# KiCad board BigBoy.kicad_pcb (continued)
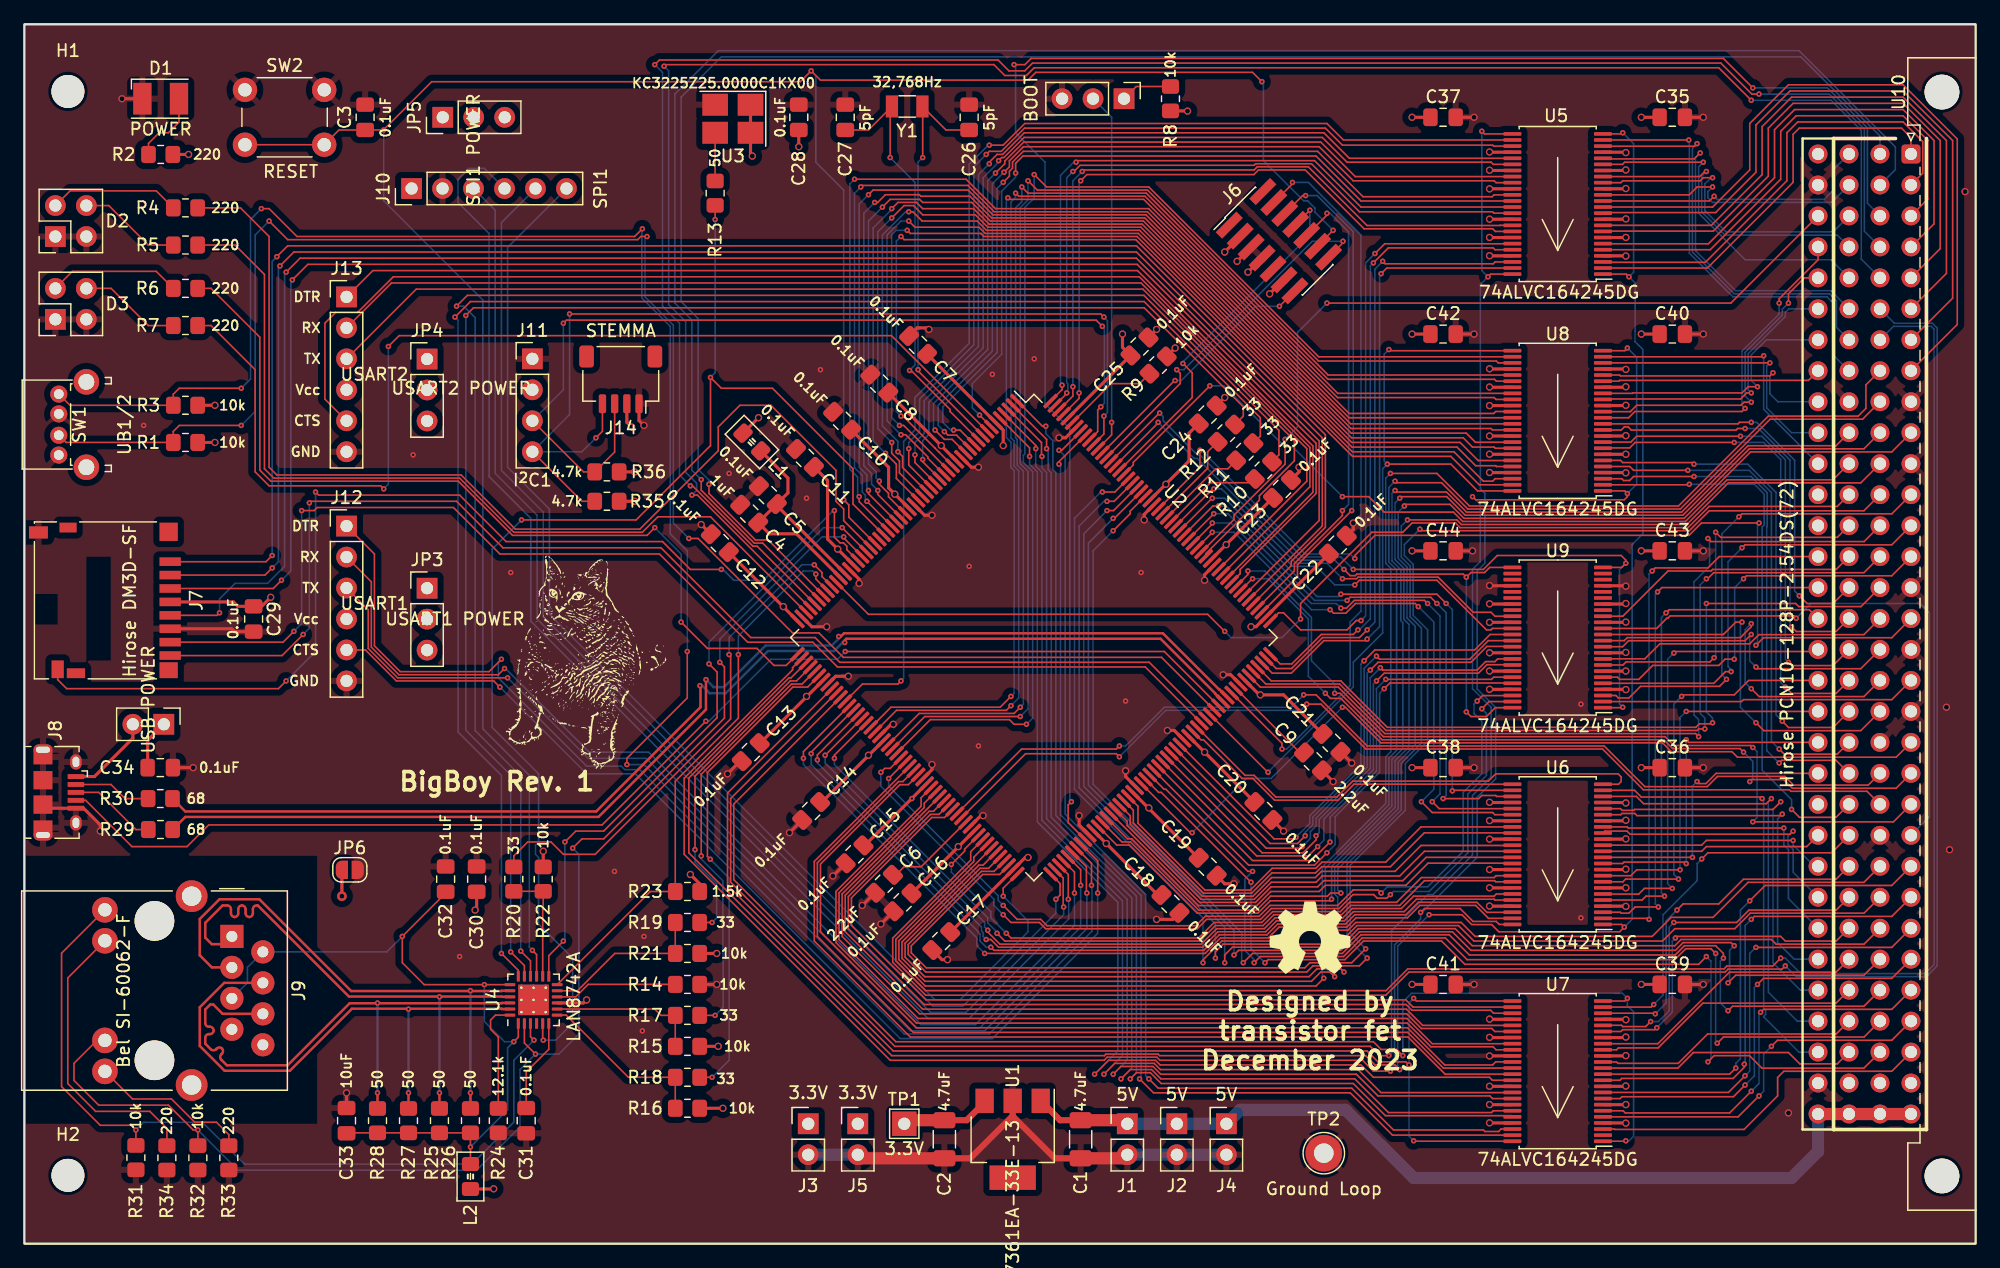
[diagram p0: board, top side]
## Routing (per net, layer and track width the routed paths; a pad name or vN(x,y) marks a point on that pad's centre or on a via; arc(x,y) is an arc through that point) (continued)
LA31: length 103.3
  Top w0.127: U2.76 74.28,42.98 80.77,42.98 81.15,42.6 v2(82.17,42.6) ; U8.26 106.13,72.74 92.2,86.67 83.82,86.67 v2(82.8,87.68)
  Bottom w0.127: v2(82.17,42.6) 82.68,43.1 82.68,63.31 81.92,64.07 81.92,64.65 82.04,64.78 82.04,84.99 82.8,85.75 v2(82.8,87.68)
LAM0: length 43.5
  Top w0.127: v2(105.92,33.45) 105.92,33.12 104.86,32.06 101.5,32.06 U2.132 ; v2(111.19,47.23) 111.39,47.03 111.4,47.04 119.13,47.04 119.82,47.74 120.58,47.74 120.8,47.96 U9.40
  Bottom w0.127: v2(105.92,33.45) 106.17,33.71 106.17,34.79 110.36,38.98 110.36,46.41 v2(111.19,47.23)
LAM1: length 43.3
  Top w0.127: v2(110.36,47.04) 111,47.68 118.62,47.68 119.93,48.98 121.99,48.98 U9.38 ; v2(104.77,32.56) 104.65,32.44 101.82,32.44 U2.133
  Bottom w0.127: v2(110.36,47.04) 110.11,46.79 110.11,39.08 105.92,34.89 105.92,34.26 105.45,33.79 105.45,33.23 v2(104.77,32.56)
LAM2: length 43.1
  Top w0.127: v2(110.87,48.18) 111.13,47.93 118.52,47.93 120.05,49.46 U9.37 ; U2.134 102.15,32.82 104.39,32.82 v2(105.03,33.45)
  Bottom w0.127: v2(110.87,48.18) 109.86,47.17 109.86,39.19 105.66,35 105.66,34.36 105.03,33.73 v2(105.03,33.45)
LAM3: length 42.6
  Top w0.127: U2.135 102.47,33.2 104.14,33.2 v2(104.27,33.33) ; U9.36 120.19,49.96 118.92,48.69 110.74,48.69 v2(109.86,47.8)
  Bottom w0.127: v2(109.86,47.8) 109.6,47.55 109.6,39.29 105.41,35.1 105.41,34.47 v2(104.27,33.33)
LAM4: length 33.2
  Top w0.127: v2(109.09,54.03) 109.47,54.41 115.82,54.41 119.89,50.34 120.26,50.34 120.38,50.46 U9.35 ; v2(97.41,61.14) 97.39,61.14 U2.178
  Bottom w0.127: v2(97.41,61.14) 98.42,61.14 104.01,55.55 105.92,55.55 107.44,54.03 v2(109.09,54.03)
LAM5: length 33.3
  Top w0.127: v2(108.08,54.53) 109.24,54.53 109.37,54.66 115.93,54.66 118.81,51.78 120.27,51.78 120.59,51.46 U9.33 ; v2(97.54,61.9) 97.45,61.9 U2.179
  Bottom w0.127: v2(97.54,61.9) 98.17,61.9 104.27,55.8 106.81,55.8 v2(108.08,54.53)
LD0: length 51.6
  Top w0.127: v2(110.11,49.58) 109.98,49.45 106.55,49.45 103.89,46.79 102.32,46.79 U2.154 ; v2(111.25,79.55) 111.72,80.02 U5.47
  Bottom w0.127: v2(111.25,79.55) 111.13,79.43 111.13,50.6 v2(110.11,49.58)
LD1: length 51.5
  Top w0.127: U2.155 102.65,47.17 103.91,47.17 106.45,49.71 109.47,49.71 v2(110.11,50.34) ; v2(111.38,80.57) 111.58,80.37 120.45,80.37 120.6,80.52 U5.46
  Bottom w0.127: v2(110.11,50.34) 110.74,50.98 110.74,79.93 v2(111.38,80.57)
LD2: length 51.3
  Top w0.127: v2(109.35,50.34) 108.97,49.96 106.34,49.96 103.93,47.55 102.97,47.55 U2.156 ; U5.44 120.59,81.52 120.44,81.67 111.84,81.67 v2(110.62,80.44)
  Bottom w0.127: v2(110.62,80.44) 110.36,80.19 110.36,51.23 109.47,50.34 v2(109.35,50.34)
LD3: length 50.8
  Top w0.127: v2(110.74,81.2) 111.55,82.01 122.01,82.01 U5.43 ; v2(109.6,51.11) 109.22,51.11 108.46,50.34 104.65,50.34 103.25,51.74 102.85,51.74 U2.157
  Bottom w0.127: v2(110.74,81.2) 109.98,80.44 109.98,51.49 v2(109.6,51.11)
LD4: length 57.6
  Top w0.127: U5.41 120.61,83.02 120.4,83.24 109.86,83.24 105.03,88.06 101.2,88.06 100.82,87.68 87.12,87.68 v2(86.61,87.17) ; U2.205 86.49,69.32 v2(86.49,69.77)
  Bottom w0.127: v2(86.49,69.77) 86.49,87.05 v2(86.61,87.17)
LD5: length 57.8
  Top w0.127: v2(85.98,70.28) 85.98,69.52 84.85,68.39 U2.206 ; v2(86.74,87.94) 86.87,88.06 100.84,88.06 101.09,88.32 105.28,88.32 110.09,83.51 120.99,83.51 121,83.52 U5.40
  Bottom w0.127: v2(86.74,87.94) 85.98,87.17 v2(85.98,70.28)
LD6: length 57.9
  Top w0.127: v2(85.98,87.94) 86.06,87.94 86.57,88.44 100.84,88.44 100.96,88.57 105.54,88.57 109.47,84.63 120.39,84.63 120.5,84.52 U5.38 ; U2.207 85.47,69.72 v2(85.47,69.77)
  Bottom w0.127: v2(85.98,87.94) 85.47,87.43 85.47,70.62 85.56,70.53 85.56,69.86 v2(85.47,69.77)
LD7: length 58
  Top w0.127: 85.09,70.28 85.09,70.05 U2.208 ; U5.37 109.6,85.02 105.79,88.82 86.36,88.82 v2(86.23,88.7)
  Bottom w0.127: v2(85.09,70.41) 84.96,70.54 84.96,87.62 86.04,88.7 v2(86.23,88.7)
LD8: length 66.3
  Top w0.127: U5.36 109.61,85.52 105.92,89.21 81.88,89.21 81.28,88.6 v2(81.28,87.81) ; v2(78.32,67.96) U2.7
  Bottom w0.127: v2(81.28,87.81) 81.28,87.47 80.14,86.33 80.14,72.95 77.72,70.54 77.72,68.56 v2(78.32,67.96)
LD9: length 70
  Top w0.127: U2.11 76.72,66.73 v2(76.2,66.73) ; U5.35 120.51,86.02 120.36,85.87 109.76,85.87 106.05,89.59 81.9,89.59 81.03,88.71 81.03,88.21 80.77,87.96 80.77,87.55 v2(80.26,87.05)
  Bottom w0.127: v2(76.2,66.73) 75.95,66.73 75.31,67.36 75.31,68.63 79.76,73.08 79.76,86.54 v2(80.26,87.05)
LD10: length 70.5
  Top w0.127: U5.33 120.68,87.02 120.52,87.17 108.97,87.17 106.17,89.97 81.93,89.97 80.77,88.81 80.77,88.32 v2(80.33,87.87) ; U2.12 76.44,66.31 75.73,66.31 v2(75.44,66.6)
  Bottom w0.127: v2(80.33,87.87) 79.38,86.92 79.38,73.2 74.93,68.76 74.93,67.11 v2(75.44,66.6)
LD11: length 71.3
  Top w0.127: U2.13 76.07,65.96 75.44,65.96 v2(74.68,66.73) ; v2(79.63,87.81) 80.39,88.57 80.39,88.79 81.95,90.35 106.3,90.35 109.13,87.52 122.02,87.52 U5.32
  Bottom w0.127: v2(74.68,66.73) 74.55,66.85 74.55,68.89 78.99,73.33 78.99,87.17 v2(79.63,87.81)
LD12: length 73.1
  Top w0.127: v2(73.66,64.31) 73.66,64.13 U2.19 ; v2(79.88,88.82) 80.14,89.08 80.32,89.08 81.97,90.73 106.43,90.73 108.46,88.7 120.27,88.7 120.45,88.52 U5.30
  Bottom w0.127: v2(73.66,64.31) 73.66,65.86 74.17,66.37 74.17,69.01 78.61,73.46 78.61,87.43 79.88,88.7 v2(79.88,88.82)
LD13: length 74.3
  Top w0.127: v2(73.03,64.69) 73.03,64.06 U2.20 ; U5.29 108.64,89.02 106.55,91.11 81.99,91.11 80.21,89.33 79.76,89.33 79.12,88.7 v2(79.12,88.57)
  Bottom w0.127: v2(79.12,88.57) 78.23,87.68 78.23,73.58 73.79,69.14 73.79,66.47 73.03,65.71 v2(73.03,64.69)
LD14: length 75.3
  Top w0.127: v2(72.52,65.2) 72.52,63.86 U2.21 ; v2(78.87,89.33) 79.12,89.59 80.11,89.59 82.01,91.49 106.68,91.49 108.08,90.09 120.4,90.09 120.47,90.02 U5.27
  Bottom w0.127: v2(78.87,89.33) 77.85,88.32 77.85,73.71 73.41,69.27 73.41,66.6 72.52,65.71 v2(72.52,65.2)
LD15: length 96.5
  Top w0.127: v2(71.88,46.15) 71.63,45.9 68.72,45.9 U2.64 ; U5.26 108.16,90.52 106.81,91.87 82.03,91.87 80.26,90.09 v2(79.12,90.09)
  Bottom w0.127: v2(71.88,46.15) 72.1,46.37 72.1,65.8 73.03,66.73 73.03,69.39 77.47,73.84 77.47,88.53 79.04,90.09 v2(79.12,90.09)
LD16: length 73.4
  Top w0.127: v2(78.74,23.8) 96.81,23.8 98.08,25.07 101.99,25.07 102.88,25.96 108.43,25.96 109.19,26.72 113.41,26.72 114.43,27.74 119,27.74 120.06,26.68 U6.47 ; v2(63.88,39.8) 63.88,40.35 U2.65
  Bottom w0.127: v2(63.88,39.8) 63.88,39.29 78.11,25.07 78.11,24.44 v2(78.74,23.8)
LD17: length 72.1
  Top w0.127: U2.66 67.96,43.75 64.52,40.31 v2(64.52,40.18) ; U6.46 122.01,27.17 119.93,27.17 119.11,27.99 114.3,27.99 113.28,26.98 109.09,26.98 108.33,26.21 102.77,26.21 101.89,25.32 97.98,25.32 96.71,24.05 79.5,24.05 v2(79.25,24.31)
  Bottom w0.127: v2(64.52,40.18) 64.52,39.29 78.23,25.58 78.23,25.52 78.36,25.39 78.36,24.82 78.87,24.31 v2(79.25,24.31)
LD18: length 70.6
  Top w0.127: v2(65.02,39.68) 65.02,40.08 U2.67 ; U6.44 120.59,28.18 120.52,28.25 114.15,28.25 113.13,27.23 108.98,27.23 108.22,26.47 102.67,26.47 101.78,25.58 97.87,25.58 96.6,24.31 79.88,24.31 79.25,24.94 v2(78.87,24.94)
  Bottom w0.127: v2(78.87,24.94) 78.61,25.2 78.61,25.5 78.49,25.62 78.49,25.96 65.02,39.42 v2(65.02,39.68)
LD19: length 69.4
  Top w0.127: U6.43 120.7,28.68 120.52,28.5 113.92,28.5 112.9,27.48 108.88,27.48 108.12,26.72 102.56,26.72 101.67,25.83 97.77,25.83 96.5,24.56 79.99,24.56 78.99,25.56 v2(78.99,25.71) ; v2(65.66,40.06) 68.65,43.04 U2.68
  Bottom w0.127: v2(78.99,25.71) 78.74,25.96 78.74,26.34 65.66,39.42 v2(65.66,40.06)
LD20: length 68.5
  Top w0.127: v2(79.76,25.45) 80.39,24.82 96.39,24.82 97.66,26.09 101.57,26.09 102.46,26.98 108.01,26.98 108.77,27.74 112.77,27.74 114.8,29.77 120.56,29.77 120.65,29.68 U6.41 ; U2.69 66.42,40.06 v2(66.42,39.8)
  Bottom w0.127: v2(66.42,39.8) 66.42,39.29 78.99,26.72 78.99,26.3 79.76,25.53 v2(79.76,25.45)
LD21: length 54.6
  Top w0.127: U2.95 77.1,32.36 77.1,32.19 v2(76.01,31.1) ; U6.40 120.68,30.18 120.52,30.02 114.55,30.02 112.52,27.99 108.67,27.99 107.91,27.23 102.35,27.23 101.46,26.34 97.56,26.34 96.29,25.07 80.9,25.07 v2(80.52,25.45)
  Bottom w0.127: v2(80.52,25.45) 79.25,26.72 79.25,27.23 76.01,30.47 v2(76.01,31.1)
LD22: length 37.7
  Top w0.127: U2.118 90.45,33.2 90.8,33.2 96.27,27.73 101.06,27.73 102.21,28.88 106.17,28.88 106.68,29.39 113.28,29.39 115.1,31.2 121.99,31.2 U6.38
LD23: length 37.5
  Top w0.127: U6.37 114.94,31.68 113.03,29.77 106.55,29.77 106.05,29.26 102.23,29.26 100.95,27.98 96.38,27.98 U2.119
LD24: length 37.5
  Top w0.127: U6.36 114.8,32.18 112.78,30.15 106.43,30.15 105.92,29.64 102.25,29.64 100.85,28.24 96.48,28.24 90.42,34.29 90.42,34.64 U2.120
LD25: length 37.5
  Top w0.127: U2.121 90.68,35.09 90.68,34.4 96.59,28.49 100.74,28.49 102.27,30.02 105.85,30.02 106.36,30.53 112.39,30.53 114.52,32.66 121.99,32.66 U6.35
LD26: length 37.7
  Top w0.127: U6.33 122.01,33.69 114.79,33.69 112.01,30.91 106.38,30.91 105.87,30.4 102.3,30.4 100.64,28.74 96.69,28.74 90.93,34.5 90.93,35.55 U2.122
LD27: length 37.7
  Top w0.127: U6.32 114.52,34.18 111.63,31.29 106.4,31.29 105.9,30.79 102.32,30.79 100.53,29 96.8,29 91.31,34.48 91.31,35.87 U2.123
LD28: length 46.7
  Top w0.127: U2.174 97.41,58.32 v2(97.41,58.34) ; v2(114.3,52.25) 114.05,52.5 109.15,52.5 108.36,51.7 107.35,51.7 v2(107.06,51.99) ; v2(114.55,36.25) 115.44,35.36 120.4,35.36 120.58,35.18 U6.30
  Bottom w0.127: v2(97.41,58.34) 99.19,58.34 105.54,51.99 v2(107.06,51.99) ; v2(114.3,52.25) 115.57,50.98 115.57,37.26 v2(114.55,36.25)
LD29: length 47
  Top w0.127: v2(97.41,59.11) 97.41,59.03 U2.175 ; v2(107.95,52.12) 108.41,52.12 109.05,52.76 114.81,52.76 v2(115.06,52.5) ; v2(115.44,36.25) 116.01,35.68 U6.29
  Bottom w0.127: v2(115.06,52.5) 116.08,51.49 116.08,36.88 v2(115.44,36.25) ; v2(107.95,52.12) 107.57,52.5 105.54,52.5 98.93,59.11 v2(97.41,59.11)
LD30: length 46.8
  Top w0.127: v2(115.82,52.5) 115.32,53.01 108.71,53.01 v2(108.46,52.76) ; U6.27 120.73,36.68 120.65,36.75 119.51,36.75 119.25,36.5 v2(116.33,36.5) ; 97.41,59.87 97.41,59.74 U2.176
  Bottom w0.127: 97.41,59.87 98.68,59.87 105.79,52.76 v2(108.46,52.76) ; v2(115.82,52.5) 116.59,51.74 116.59,36.75 v2(116.33,36.5)
  vias: v2(97.54,59.87)
LD31: length 46.5
  Top w0.127: U2.177 97.47,60.5 v2(97.92,60.5) ; v2(117.09,37.14) 117.14,37.18 U6.26 ; v2(116.59,52.5) 115.82,53.26 v2(107.95,53.26)
  Bottom w0.127: v2(107.95,53.26) 107.76,53.07 105.98,53.07 98.55,60.5 v2(97.92,60.5) ; v2(116.59,52.5) 117.09,51.99 v2(117.09,37.14)
RMII_CRS_DV: length 27.1
  Top w0.127: v2(54.99,32.31) 54.99,38.34 62.8,46.15 63.32,46.15 U2.56 ; v2(56.39,26.34) R19.1
  Bottom w0.127: v2(56.39,26.34) 56.77,26.72 56.77,29.52 54.99,31.29 v2(54.99,32.31)
RMII_MDC: length 52.4
  Top w0.127: v2(56.13,47.55) 56.81,46.88 56.81,43.14 47.5,33.83 45.21,33.83 v2(44.32,32.94) ; v2(67.06,58.73) 67.06,58.72 U2.36 ; U4.13 43,23.62 v2(44.2,24.82)
  Bottom w0.127: v2(56.13,47.55) 56.13,49.33 65.53,58.73 v2(67.06,58.73) ; v2(44.2,24.82) 44.32,24.94 v2(44.32,32.94)
RMII_MDIO: length 46.4
  Top w0.127: U2.45 64.9,54.51 v2(64.9,54.92) ; U4.12 51.33,28.88 R23.2 53.37,37.93 58.55,43.1 v2(58.55,48.31)
  Bottom w0.127: v2(58.55,48.31) 58.55,49.84 63.88,55.17 64.64,55.17 v2(64.9,54.92)
RMII_nINT: length 115.5
  Top w0.127: U4.2 41,16.45 v2(41.91,15.55) ; v2(57.02,47.68) 57.4,47.3 57.4,43.1 47.5,33.2 45.72,33.2 v2(44.96,32.44) ; R32.1 v2(14.22,9.32) 13.84,9.32 11.81,11.35 6.1,11.35 4.06,13.39 4.06,14.78 5.95,16.67 J9.L3 ; v2(67.18,57.96) 67.18,57.88 U2.37
  Bottom w0.127: v2(67.18,57.96) 65.41,57.96 57.02,49.58 v2(57.02,47.68) ; v2(44.96,32.44) 45.47,31.93 45.47,17.2 43.81,15.55 v2(41.91,15.55) 40.64,14.28 40.64,9.58 37.08,6.02 17.53,6.02 v2(14.22,9.32)
RMII_REF_CLK: length 42.7
  Top w0.127: v2(57.78,48.31) 57.91,48.18 57.91,43.04 46.8,31.93 44.2,31.93 43.18,32.94 41.28,32.94 40.13,31.8 R20.1 ; U2.44 65.41,54.71 65.41,55.04 v2(64.77,55.68)
  Bottom w0.127: v2(64.77,55.68) 63.75,55.68 57.78,49.71 v2(57.78,48.31)
RMII_RXD0: length 34.8
  Top w0.127: R17.1 v2(56.64,18.72) ; v2(55.5,31.8) 55.5,38.49 62.91,45.9 63.77,45.9 U2.57
  Bottom w0.127: v2(55.5,31.8) 55.5,31.54 57.28,29.77 57.28,24.02 57.29,24.01 57.29,19.36 v2(56.64,18.72)
RMII_RXD1: length 39.8
  Top w0.127: U2.58 64.22,45.64 63.01,45.64 56.01,38.64 56.01,31.76 v2(56.24,31.53) ; R18.1 v2(56.39,13.64)
  Bottom w0.127: v2(56.24,31.53) 57.78,29.98 57.78,15.04 v2(56.39,13.64)
RMII_TXD0: length 125.3
  Top w0.127: v2(39.88,23.93) 41,22.8 U4.17 ; R12.2 99.95,67.87 99.95,68.63 91.82,76.76 36.83,76.76 v2(36.2,76.12)
  Bottom w0.127: v2(36.2,76.12) 36.2,42.11 39.88,38.43 v2(39.88,23.93)
RMII_TXD1: length 129.1
  Top w0.127: v2(39.12,23.8) 40.5,22.42 U4.18 ; v2(35.31,76) 36.58,77.27 91.82,77.27 101.35,67.74 101.35,66.22 R11.2
  Bottom w0.127: v2(35.31,76) 35.56,75.74 35.56,41.96 39.12,38.41 v2(39.12,23.8)
RMII_TXEN: length 133
  Top w0.127: R10.2 102.87,64.69 102.87,66.7 91.8,77.78 36.32,77.78 v2(35.43,76.89) ; v2(40.7,23.99) 41.5,23.19 U4.16
  Bottom w0.127: v2(40.7,23.99) 40.7,38.34 36.96,42.09 36.96,75.95 36.02,76.89 v2(35.43,76.89)
SDIO_CLK: length 142.5
  Top w0.127: J7.5 15.79,51.53 v2(16,51.74) ; U2.163 106.17,59.31 106.17,65.84 91.19,80.82 22.61,80.82 v2(21.46,79.68)
  Bottom w0.127: v2(16,51.74) 16,52.88 17.27,54.15 19.94,54.15 21.34,55.55 21.34,79.55 v2(21.46,79.68)
SDIO_CMD: length 139.2
  Top w0.127: v2(21.08,54.41) 20.41,53.73 11.95,53.73 ; v2(21.97,79.05) 23.24,80.31 91.25,80.31 105.92,65.65 105.92,61.52 99.7,55.3 99.7,54.95 U2.166
  Bottom w0.127: v2(21.97,79.05) 21.84,78.92 21.84,55.17 v2(21.08,54.41)
SDIO_D0: length 101.9
  Top w0.127: U2.140 91.91,47.3 66.67,47.3 64.64,49.33 59.31,49.33 52.07,56.57 38.99,56.57 35.18,60.38 24,60.38 23.75,60.12 v2(22.73,60.12) ; J7.7 21.21,49.33 v2(22.1,50.22)
  Bottom w0.127: v2(22.73,60.12) 22.73,50.85 v2(22.1,50.22)
SDIO_D1: length 103.6
  Top w0.127: U2.141 92.24,47.68 66.87,47.68 64.83,49.71 59.56,49.71 52.2,57.07 39.24,57.07 35.43,60.88 23.5,60.88 v2(23.37,60.76) ; v2(22.86,49.96) 21.13,48.23 11.95,48.23
  Bottom w0.127: v2(22.86,49.96) 23.37,50.47 v2(23.37,60.76)
SDIO_D2: length 142.3
  Top w0.127: U2.161 103.89,55.61 103.89,55.96 106.68,58.75 106.68,66.34 91.19,81.84 21.59,81.84 v2(20.7,80.95) ; v2(20.32,56.44) 19.81,55.93 11.95,55.93
  Bottom w0.127: v2(20.32,56.44) 20.32,80.57 v2(20.7,80.95)
SDIO_D3: length 141.6
  Top w0.127: J7.2 19.73,54.83 v2(20.32,55.42) ; v2(20.95,80.19) 22.1,81.33 91.19,81.33 106.43,66.09 106.43,58.86 U2.162
  Bottom w0.127: v2(20.32,55.42) 20.83,55.93 20.83,80.06 v2(20.95,80.19)
SDIO_DET: length 89.7
  Top w0.127: U2.38 67.44,56.92 67.44,57.2 67.16,57.48 66.88,57.48 66.42,57.94 v2(66.42,60.12) ; v2(57.15,55.3) 54.61,55.3 52.32,57.58 39.5,57.58 35.69,61.39 24.13,61.39 v2(23.88,61.65) ; v2(21.46,46.15) 20.83,45.52 3.47,45.52 2.73,46.25 J7.9 2.79,47.17
  Bottom w0.127: v2(23.88,61.65) 23.88,48.57 v2(21.46,46.15) ; v2(57.15,55.3) 57.28,55.3 58.17,54.41 60.6,54.41 66.32,60.12 v2(66.42,60.12)
SPI_SCK: length 99.8
  Top w0.127: U2.105 84.93,29.53 84.93,28.59 v2(84.58,28.25)
  Bottom w0.127: v2(84.58,28.25) 84.58,27.1 76.96,19.48 74.49,19.48 42.55,51.42 42.55,60 39.12,63.42 39.12,83.74 J10.5
SPI_SDI: length 109.3
  Top w0.127: v2(85.6,28.25) 85.6,30.28 U2.107
  Bottom w0.127: J10.4 37.72,88.19 36.45,88.19 35.56,87.3 35.56,85.4 38.1,82.86 38.1,62.92 41.53,59.49 41.53,51.04 74.1,18.47 77.47,18.47 85.63,26.63 85.63,28.21 v2(85.6,28.25)
SPI_SDO: length 101.3
  Top w0.127: U2.106 85.18,29.99 85.18,27.65 v2(85.22,27.61)
  Bottom w0.127: v2(85.22,27.61) 85.22,26.98 77.22,18.97 74.3,18.97 42.04,51.23 42.04,59.74 38.61,63.17 38.61,84.76 J10.3
TCK/SWCLK: length 41.8
  Top w0.127: v2(105.06,85.96) 104.81,85.96 J6.6 ; v2(108.84,60.12) 104.39,55.68 104.39,54.7 U2.159
  Bottom w0.127: v2(105.06,85.96) 106.01,85.96 108.97,83 108.97,60.25 v2(108.84,60.12)
TDI: length 38.8
  Top w0.127: U2.160 101.11,52.14 104.14,55.17 104.14,55.78 108.08,59.72 v2(108.08,60.12) ; v2(106.81,84.51) 106.81,84.36 J6.10
  Bottom w0.127: v2(108.08,60.12) 108.58,60.63 108.58,82.98 107.06,84.51 v2(106.81,84.51)
TDO/SWO: length 30.1
  Top w0.127: v2(105.41,84.76) J6.8 ; U2.192 89.81,63.44 95.76,69.39 95.76,71.43 v2(95,72.19)
  Bottom w0.127: v2(105.41,84.76) 105.41,82.73 95,72.31 v2(95,72.19)
TMS/SWDIO: length 61.1
  Top w0.127: U2.147 103.12,41.03 v2(103.12,40.56) ; J6.4 103.98,86.92 v2(103.98,87.04)
  Bottom w0.127: v2(103.98,87.04) 105.29,87.04 109.6,82.73 109.6,51.87 108.71,50.98 108.71,45.77 103.51,40.56 v2(103.12,40.56)
UB1: length 141
  Top w0.127: v2(54.48,57.84) 55.25,57.84 62.99,50.09 65.15,50.09 67.16,48.08 93.25,48.08 U2.143 ; SW1.2 3.41,65.71 R1.2 12.21,66.62 12.7,67.11 v2(17.78,67.11) ; v2(20.07,83.87) 21.59,82.35 50.29,82.35 50.55,82.6 v2(51.05,82.6)
  Bottom w0.127: v2(54.48,57.84) 53.21,59.11 53.21,75.34 50.89,77.66 50.89,82.44 v2(51.05,82.6) ; v2(17.78,67.11) 18.92,68.25 18.92,82.73 v2(20.07,83.87)
UB2: length 168.9
  Top w0.127: v2(54.36,48.57) 54.36,44.76 49.4,39.8 v2(49.4,39.29) ; v2(50.67,83.24) 50.04,82.6 22.35,82.6 20.07,84.89 v2(19.43,84.89) ; v2(87.12,28.75) 87.09,28.79 87.09,30.91 U2.110 ; v2(17.78,70.16) 12.7,70.16 12.21,69.66 R3.2 3.74,68.76 SW1.4
  Bottom w0.127: v2(19.43,84.89) 18.54,84 18.54,70.92 v2(17.78,70.16) ; v2(49.4,39.29) 50.8,39.29 72.64,17.45 78.74,17.45 87.12,25.83 v2(87.12,28.75) ; v2(54.36,48.57) 54.36,56.82 52.96,58.22 52.96,75.24 50.64,77.56 50.64,83.2 v2(50.67,83.24)
UL1: length 89.4
  Top w0.127: U2.35 67.18,59.3 67.18,60.25 66.55,60.88 66.55,63.42 61.21,68.76 58.67,68.76 56.9,66.98 56.9,65.03 50.46,58.6 40.26,58.6 35.81,63.04 20.7,63.04 20.07,63.68 20.07,82.6 17.72,84.95 R4.1
UL2: length 72.8
  Top w0.127: R5.1 17.27,81.9 19.69,79.49 19.69,63.55 20.45,62.79 35.69,62.79 40.13,58.34 50.67,58.34 51.94,59.61 56.26,59.61 U2.50
UL3: length 72.6
  Top w0.127: v2(51.69,58.73) 51.05,58.09 40.03,58.09 35.58,62.54 20.21,62.54 19.3,63.44 19.3,74.35 15.3,78.35 R6.1 ; U2.53 62.47,47.42 61.47,47.42 60.07,48.82 56.01,48.82 v2(53.85,50.98)
  Bottom w0.127: v2(51.69,58.73) 53.85,56.57 v2(53.85,50.98)
UL4: length 90.3
  Top w0.127: v2(29.46,61.9) 29.21,62.15 20.07,62.15 18.92,63.3 18.92,71.68 15.3,75.3 R7.1 ; U2.8 71.1,74.47 30.73,74.47 v2(29.84,73.58)
  Bottom w0.127: v2(29.46,61.9) 29.84,62.28 v2(29.84,73.58)
USART1_CTS: length 95.7
  Top w0.127: v2(39.12,47.93) 38.1,46.91 30.82,46.91 28.7,49.03 28.7,56.57 J12.1 ; U2.111 87.5,31.2 v2(87.5,29.39)
  Bottom w0.127: v2(39.12,47.93) 38.86,47.68 38.86,46.41 46.1,39.17 48.94,39.17 49.23,38.88 50.46,38.88 72.14,17.2 79.12,17.2 87.54,25.61 87.54,29.35 v2(87.5,29.39)
USART1_RTS: length 86.3
  Top w0.127: v2(38.99,45.64) 38.48,46.15 30.5,46.15 27.96,48.69 J12.5 ; v2(88.01,28.75) 88.01,31.4 U2.112
  Bottom w0.127: v2(88.01,28.75) 88.01,25.45 79.38,16.82 71.82,16.82 50.1,38.53 46.1,38.53 v2(38.99,45.64)
USART1_RX: length 86.6
  Top w0.127: J12.3 28.19,51.99 28.19,48.82 30.61,46.41 v2(39.62,46.41) ; v2(86.61,29.39) 86.61,30.67 U2.109
  Bottom w0.127: v2(39.62,46.41) 46.23,39.8 50.99,39.8 73.09,17.7 78.36,17.7 86.61,25.96 v2(86.61,29.39)
USART1_TX: length 88.2
  Top w0.127: v2(86.11,28.75) 86.11,30.47 U2.108 ; J12.2 28.45,54.28 28.45,48.92 30.71,46.66 38.86,46.66 v2(39.37,47.17)
  Bottom w0.127: v2(86.11,28.75) 86.11,26.09 77.98,17.96 73.53,17.96 51.18,40.31 46.31,40.31 39.45,47.17 v2(39.37,47.17)
USART2_CTS: length 99.8
  Top w0.127: U2.167 105.66,61.63 105.66,65.42 91.27,79.81 28.58,79.81 J13.1
USART2_RTS: length 110.2
  Top w0.127: J13.5 24.64,69.27 24.64,75.49 25.53,76.38 27.33,76.38 30.25,79.3 91.42,79.3 105.41,65.31 105.41,62.08 U2.168
USART2_RX: length 97.7
  Top w0.127: U2.172 96.87,56.58 101.27,60.98 101.27,61.34 104.14,64.21 104.14,65.86 91.72,78.28 32.13,78.28 J13.3
USART2_TX: length 98.8
  Top w0.127: U2.169 105.16,62.54 105.16,65.21 91.57,78.79 30.1,78.79 J13.2
USB_DN: length 96.3
  Top w0.2: U2.145 97.64,45.1 97.64,45.14 93.17,49.61 67.4,49.61 67.27,49.48 v2(67.27,49.3) ; R30.2 13.2,35.45 46.89,35.45 55.44,44 55.44,45.72 v2(55.4,45.76)
  Bottom w0.2: v2(55.4,45.76) 55.57,45.76 56.2,45.14 57.5,45.14 60.97,48.6 66.39,48.6 67.09,49.3 v2(67.27,49.3)
USB_DP: length 97.4
  Top w0.2: v2(66.77,49.8) 66.95,49.8 67.21,50.06 93.36,50.06 97.96,45.45 98,45.45 U2.146 ; R29.2 13.2,35 47.08,35 55.89,43.81 v2(55.89,46.26)
  Bottom w0.2: v2(55.89,46.26) 56.5,45.64 57.37,45.64 60.78,49.05 66.2,49.05 66.77,49.62 v2(66.77,49.8)
USB_ID: length 103.8
  Top w0.127: U2.144 93.47,48.57 v2(67.31,48.57) ; v2(55.88,42.85) 47.37,34.34 15.11,34.34 13.34,32.56 8.82,32.56 5.03,36.36 J8.4
  Bottom w0.127: v2(55.88,42.85) 56.13,42.85 61.21,47.93 66.67,47.93 v2(67.31,48.57)
VA1: length 28.8
  Top w0.127: U7.3 130.38,9.4 130.41,9.36 141.01,9.36 143.76,12.12 143.76,13.63 144.27,14.14 153.13,14.14 U10.a30
VA2: length 30.3
  Top w0.127: U7.5 140.52,10.4 v2(142.24,12.12) ; v2(143.26,16.18) 143.75,16.68 153.13,16.68 U10.a29
  Bottom w0.127: v2(142.24,12.12) 142.62,12.5 142.62,15.55 v2(143.26,16.18)
VA3: length 32.9
  Top w0.127: U7.6 131.09,10.9 131.27,10.72 139.83,10.72 v2(141.61,12.5) ; U10.a28 153.13,19.22 142.61,19.22 v2(142.37,18.97)
  Bottom w0.127: v2(141.61,12.5) 142.24,13.13 142.24,18.85 v2(142.37,18.97)
VA4: length 34.2
  Top w0.127: v2(141.1,13.01) 140.14,12.05 131,12.05 130.85,11.9 U7.8 ; U10.a27 153.13,21.76 142.61,21.76 v2(142.11,21.26)
  Bottom w0.127: v2(141.1,13.01) 141.86,13.77 141.86,21.01 v2(142.11,21.26)
VA5: length 36.5
  Top w0.127: U7.9 139.73,12.4 v2(141.1,13.77) ; U10.a26 153.13,24.3 v2(141.99,24.3)
  Bottom w0.127: v2(141.1,13.77) 141.48,14.15 141.48,23.8 141.99,24.31 v2(141.99,24.3)
VA6: length 38.2
  Top w0.127: v2(141.61,26.59) 141.85,26.84 153.13,26.84 U10.a25 ; U7.11 130.83,13.4 130.98,13.55 140.12,13.55 141.03,14.47 v2(141.03,14.72)
  Bottom w0.127: v2(141.03,14.72) 141.1,14.78 141.1,26.09 v2(141.61,26.59)
VA7: length 39.7
  Top w0.127: v2(141.48,28.12) 142.74,29.38 153.13,29.38 U10.a24 ; U7.12 139.83,13.9 v2(140.33,14.4)
  Bottom w0.127: v2(140.33,14.4) 140.33,14.78 140.72,15.16 140.72,27.36 v2(141.48,28.12)
VA8: length 21.5
  Top w0.127: U10.c30 148.65,14.74 145.58,14.74 144.65,15.67 136.86,15.67 135.59,14.4 U7.13
VA9: length 21.7
  Top w0.127: U7.14 130.56,14.9 130.67,14.78 135.61,14.78 138.03,17.2 148.57,17.2 U10.c29
VA10: length 22.2
  Top w0.127: U10.c28 148.55,19.72 137.63,19.72 133.96,16.05 130.71,16.05 130.56,15.9 U7.16
VA11: length 23
  Top w0.127: U7.17 133.95,16.4 139.81,22.26 148.55,22.26 U10.c27
VA12: length 27.4
  Top w0.127: v2(135.38,25.07) 135.51,25.2 144.02,25.2 144.4,24.82 148.57,24.82 U10.c26 ; U7.19 130.91,17.4 131.06,17.55 133.7,17.55 v2(133.86,17.7)
  Bottom w0.127: v2(135.38,25.07) 135.13,24.82 135.13,18.97 v2(133.86,17.7)
VA13: length 28.6
  Top w0.127: U7.20 129.45,17.91 130.96,17.91 131.07,17.8 132.94,17.8 v2(133.35,18.21) ; U10.c25 148.57,27.36 141.42,27.36 140.4,26.34 v2(135.25,26.34)
  Bottom w0.127: v2(133.35,18.21) 133.99,18.21 134.87,19.1 134.87,25.96 v2(135.25,26.34)
VA14: length 29.2
  Top w0.127: U7.22 133.68,18.9 v2(133.73,18.85) ; v2(135.51,27.36) 136.02,27.86 138.94,27.86 140.96,29.88 148.55,29.88 U10.c24
  Bottom w0.127: v2(133.73,18.85) 134.62,19.74 134.62,26.47 v2(135.51,27.36)
VA15: length 30.7
  Top w0.127: U7.23 133.39,19.4 v2(133.6,19.61) ; U10.c23 148.19,32.06 138.05,32.06 v2(137.54,31.55)
  Bottom w0.127: v2(133.6,19.61) 134.37,20.37 134.37,26.98 137.16,29.77 137.16,31.17 v2(137.54,31.55)
VA16: length 45.9
  Top w0.127: U10.c22 148.55,34.96 145.55,34.96 v2(144.91,35.61) ; v2(136.52,62.28) 136.48,62.24 U8.2
  Bottom w0.127: v2(136.52,62.28) 141.86,62.28 142.66,61.48 142.66,58.93 142.49,58.77 142.49,38.83 144.91,36.42 v2(144.91,35.61)
VA17: length 43.1
  Top w0.127: v2(136.91,62.92) 131.95,62.92 131.63,62.59 131.14,62.59 130.99,62.74 U8.3 ; U10.c21 148.55,39.64 144.11,39.64 v2(143.89,39.42)
  Bottom w0.127: v2(143.89,39.42) 142.88,40.44 142.88,58.79 142.91,58.83 142.91,61.59 141.58,62.92 v2(136.91,62.92)
VA18: length 42.3
  Top w0.127: v2(143.89,40.56) 144.31,40.14 148.65,40.14 U10.c20 ; U8.5 131.64,63.74 131.95,63.42 v2(136.4,63.42)
  Bottom w0.127: v2(136.4,63.42) 141.43,63.42 143.26,61.6 143.26,41.2 v2(143.89,40.56)
VA19: length 40.5
  Top w0.127: U8.6 130.88,64.24 131.06,64.06 136.78,64.06 v2(136.91,63.93) ; U10.c19 148.3,42.33 144.67,42.33 v2(144.14,42.85)
  Bottom w0.127: v2(144.14,42.85) 143.64,43.36 143.64,61.61 141.31,63.93 v2(136.91,63.93)
VA20: length 40.1
  Top w0.127: U10.c18 148.55,45.12 144.92,45.12 v2(144.4,45.64) ; U8.8 129.47,65.26 131.63,65.26 132.08,65.71 v2(140.21,65.71)
  Bottom w0.127: v2(140.21,65.71) 142.62,65.71 144.02,64.31 144.02,46.03 v2(144.4,45.64)
VA21: length 38.3
  Top w0.127: v2(144.65,47.68) 144.92,47.41 148.3,47.41 U10.c17 ; v2(140.72,66.22) 132.21,66.22 131.73,65.74 U8.9
  Bottom w0.127: v2(140.72,66.22) 142.47,66.22 144.4,64.29 144.4,47.93 v2(144.65,47.68)
VA22: length 35.7
  Top w0.127: U8.11 129.45,66.73 130.94,66.73 131.19,66.98 131.51,66.98 131.77,66.73 140.36,66.73 140.48,66.85 v2(141.1,66.85) ; v2(144.91,50.6) 145.3,50.2 148.55,50.2 U10.c16
  Bottom w0.127: v2(141.1,66.85) 142.2,66.85 144.78,64.27 144.78,50.72 v2(144.91,50.6)
VA23: length 33.2
  Top w0.127: U10.c15 148.31,52.5 146.18,52.5 v2(145.54,53.14) ; v2(141.61,67.36) 140.63,67.36 140.51,67.24 U8.12
  Bottom w0.127: v2(141.61,67.36) 142.05,67.36 145.16,64.25 145.16,53.52 v2(145.54,53.14)